# KiCad board handheld.kicad_pcb (continued)
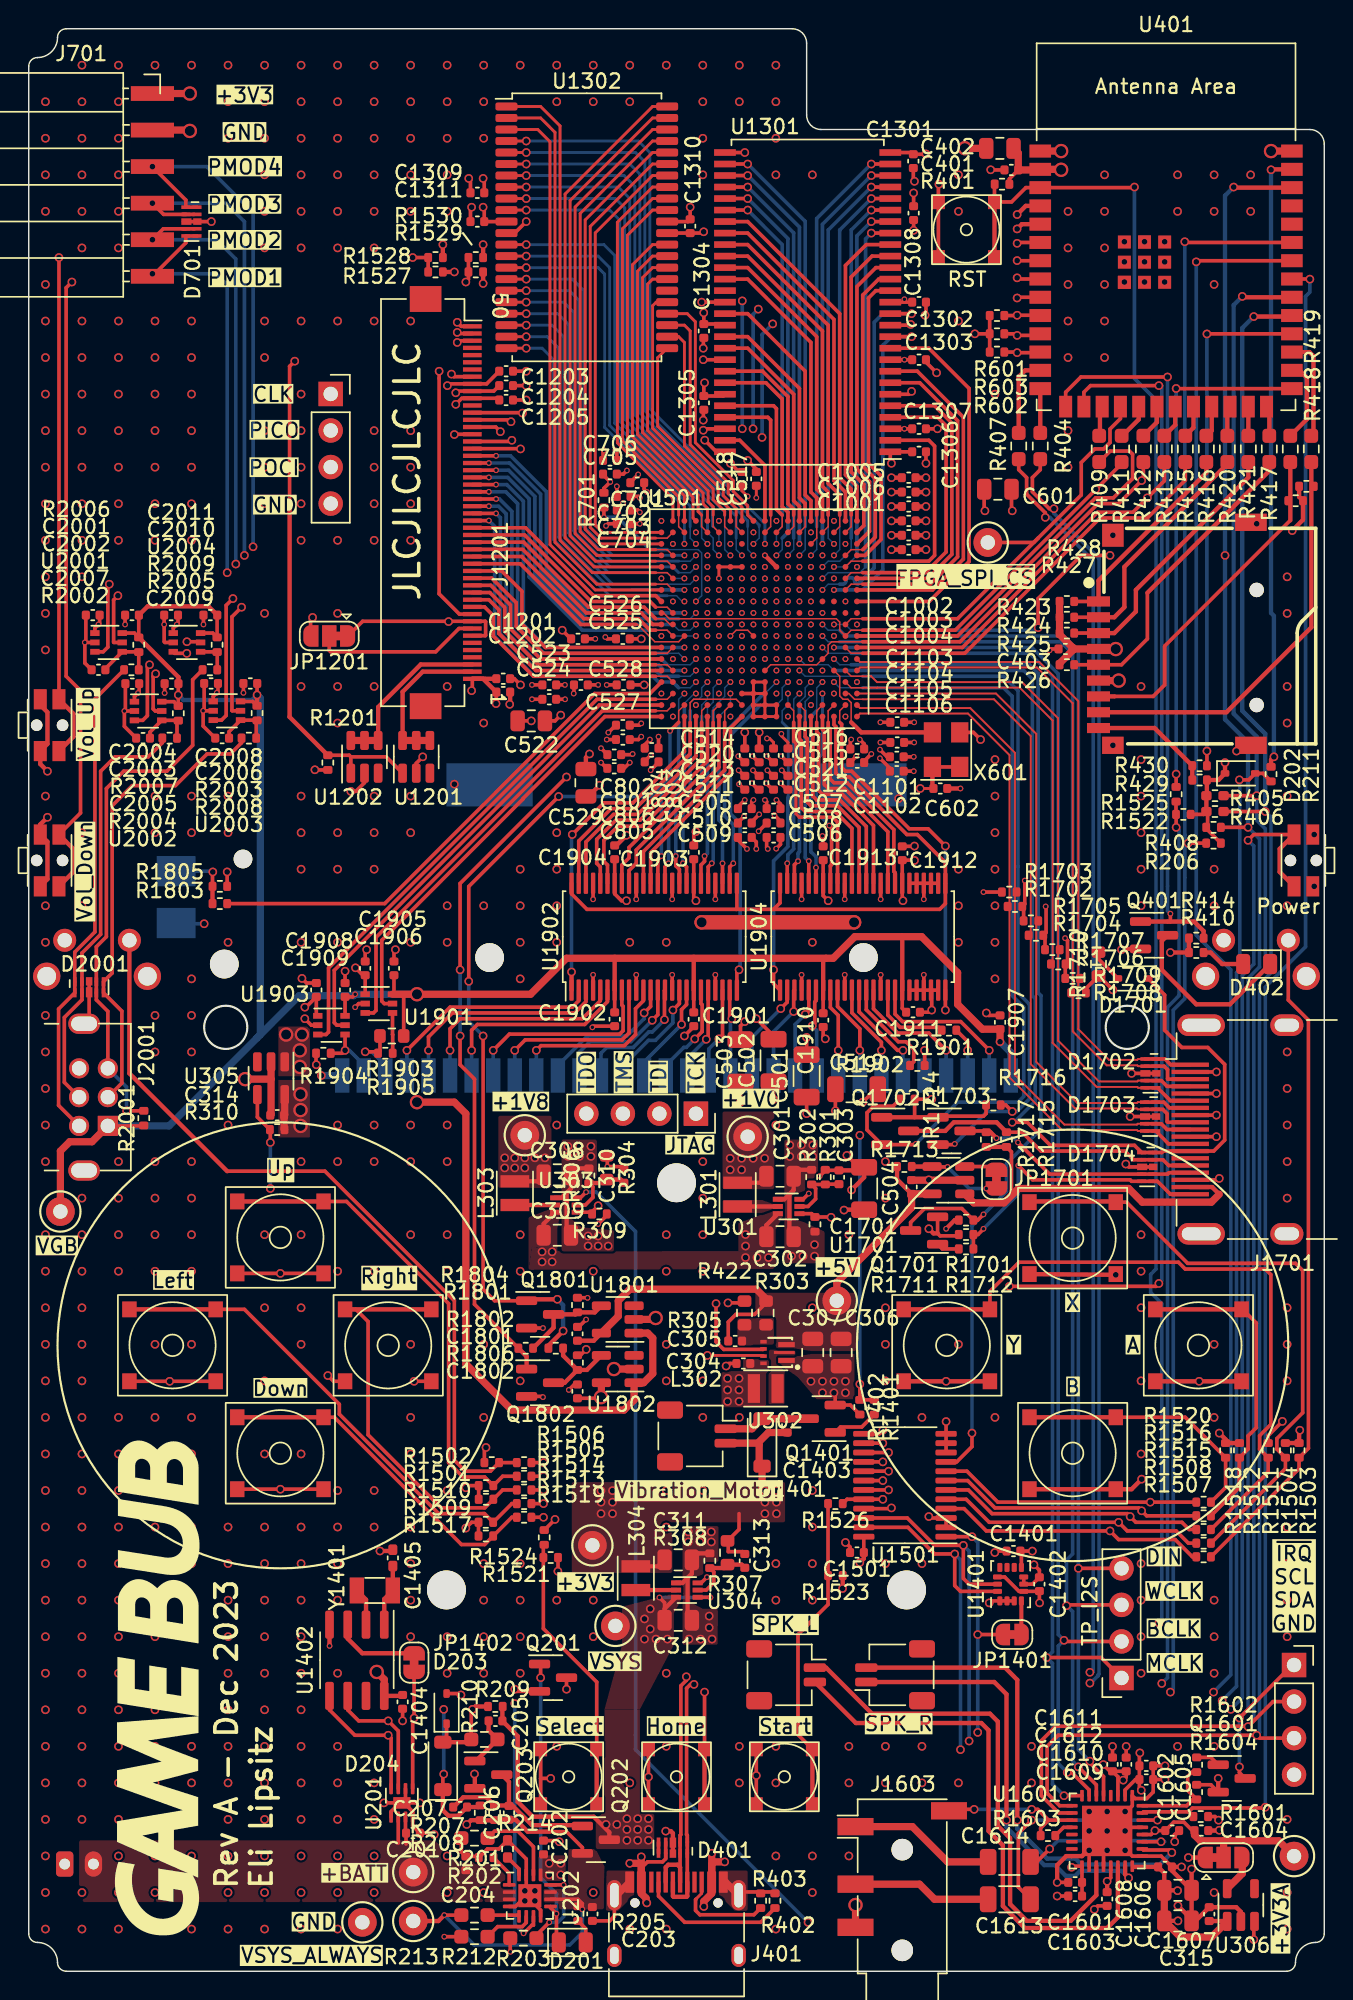
[diagram p0: board, top side]
## Routing (per net, layer and track width the routed paths; a pad name or vN(x,y) marks a point on that pad's centre or on a via; arc(x,y) is an arc through that point) (continued)
  B.Cu (SIG) w0.1: 56.4,93.2 55.6,93.2 v1(55.2,93.6)
  B.Cu (SIG) w0.25: v2(73.8,14.6) 73,15.4 v2(73,28) 73,91.73 71.93,92.8 56.8,92.8 56.4,93.2
DAC_MCLK: length 102.3
  F.Cu (SIG) w0.25: v2(72,12.2) U1601.8 ; J1604.1 74.58,21.8 v2(70.8,21.8)
  B.Cu (SIG) w0.1: 57.2,91.6 55.6,91.6 v1(55.2,92)
  B.Cu (SIG) w0.25: v2(72,12.2) 71.2,13 71.2,21.4 v2(70.8,21.8) 71.2,22.2 71.2,90 69.6,91.6 57.2,91.6
DAC_WCLK: length 102.2
  F.Cu (SIG) w0.25: U1601.6 74.25,12.95 v2(73,14.2) ; J1604.3 72.23,25.46 v2(72.17,25.4)
  B.Cu (SIG) w0.1: 56.4,92.4 55.6,92.4 v1(55.2,92.8)
  B.Cu (SIG) w0.25: v2(73,14.2) 72.6,14.6 72.6,25 72.2,25.4 v2(72.17,25.4) 72.17,28.57 72.6,29 72.6,91.57 71.77,92.4 56.4,92.4
DAC_~{RESET}: length 117.9
  F.Cu (SIG) w0.25: 80.67,11.08 R1601.1 ; 80.67,11.08 80.94,11.34 85.85,11.34 85.91,11.4 v2(86,11.4) ; 80.67,11.08 77.53,11.08 U1601.31 ; v2(89.1,117.6) 89.09,117.61 U401.33
  B.Cu (SIG) w0.25: v2(86,11.4) 86,68.4 88.8,71.2 88.8,116.4 89.1,116.7 v2(89.1,117.6)
FPGA_CLK_50MHz: length 10.2
  F.Cu (SIG) w0.1: 57.2,86.8 57.2,88.17 56.97,88.4 56.63,88.4 56.4,88.63 56.4,90 U501.E3
  F.Cu (SIG) w0.3: 57.2,86.8 57.9,86.1 X601.3
FPGA_DONE: length 41.3
  F.Cu (SIG) w0.25: 70.33,115.09 v2(68.74,115.09) 68.72,115.07 R601.1
  In2.Cu (SIG) w0.1: v1(50.4,97.6) 50.8,98 50.8,99.6 51.2,100
  In2.Cu (SIG) w0.25: v2(49.62,107.2) 49.62,106.38 51.2,104.8 51.2,100 ; v2(49.62,116.09) 52.34,116.09 52.71,115.72 68.1,115.72 v2(68.74,115.09)
  B.Cu (SIG) w0.25: v2(49.62,107.2) 49.62,115.89
FPGA_INIT_B: length 38.2
  F.Cu (SIG) w0.25: R602.1 68.7,112.53 v2(68.74,112.49) 70.31,112.49
  In2.Cu (SIG) w0.1: 52.4,101.2 52.4,98 v1(52.8,97.6)
  In2.Cu (SIG) w0.25: v2(51.74,114.49) 53.74,112.49 v2(68.74,112.49) ; 52.4,101.2 52,101.6 52,105.6 v2(51,106.6)
  B.Cu (SIG) w0.25: v2(51.74,114.49) 51,113.75 v2(51,106.6)
FPGA_POWER_EN: length 113.4
  F.Cu (SIG) w0.25: v2(68.2,47.6) 78.4,47.6 v2(78.6,47.8) ; v2(78.6,110.2) 73.84,110.2 73.38,109.74 U401.16 ; v2(55.8,52.4) 55.78,52.42 R422.1 54.45,52.65 U301.4 ; U302.5 51.06,43.22 48.33,43.22 47.8,43.75 v2(47.8,46.4)
  In2.Cu (SIG) w0.25: v2(55.8,52.4) 55.8,48.6 ; 55.8,48.6 50,48.6 v2(47.8,46.4) ; 55.8,48.6 67.2,48.6 v2(68.2,47.6)
  B.Cu (SIG) w0.25: v2(78.6,47.8) 78.8,48 78.8,110.2
FPGA_PROGRAM_B: length 40.4
  F.Cu (SIG) w0.25: 70.24,113.69 v2(68.74,113.69) 68.63,113.8 R603.1
  In2.Cu (SIG) w0.1: v1(51.2,97.6) 51.6,98 51.6,101.2
  In2.Cu (SIG) w0.25: v2(50.37,107.2) 50.37,106.19 51.6,104.97 51.6,101.2 ; v2(50.74,115.52) 51.53,115.52 53.95,113.09 54.34,113.09 54.35,113.08 68.12,113.08 v2(68.74,113.69)
  B.Cu (SIG) w0.25: v2(50.37,107.2) 50.37,115.15 v2(50.74,115.52)
FPGA_SPI_~{CS}: length 31.4
  F.Cu (SIG) w0.1: U501.J2 57.2,94 58,94
  F.Cu (SIG) w0.25: 58,94 64.6,94 70.2,99.6 ; 70.2,99.6 69.9,99.3 TP401.1 ; 70.2,99.6 73.2,102.6 73.2,104.86 74.14,105.8 74.76,105.8 75.2,106.24 75.2,107.18 75.93,107.91 U401.18
GB_3V3_Enable: length 60.4
  F.Cu (SIG) w0.1: 45.2,86.8 45.2,87.6 U501.B16
  F.Cu (SIG) w0.25: v2(30.6,68.8) 30.6,75.39 v2(36.86,81.64) ; v2(31.6,65) 31.6,47.4 32.4,46.6 Q1801.1 ; 45.2,86.8 v1(44.6,86.2)
  F.Cu (SIG) w0.3: v2(37.16,44.5) 36.14,43.48 R1804.1 ; v2(36.76,46.7) 34.72,46.7
  B.Cu (SIG) w0.25: v2(30.6,68.8) 30.6,66 v2(31.6,65) ; v2(36.86,81.64) 43.24,81.64 44.6,83 v1(44.6,86.2)
  B.Cu (SIG) w0.3: v2(37.16,44.5) 37.16,46.3 v2(36.76,46.7)
GB_5V_Enable: length 66.3
  F.Cu (SIG) w0.25: v2(37.4,83) 30,75.6 v2(30,69.6) ; R1801.1 31,46.35 31,62 30,63 v2(30,65)
  F.Cu (SIG) w0.3: Q1802.1 34.62,42.73 R1801.1
  In2.Cu (SIG) w0.1: v1(48,93.6) 48.4,93.2 48.4,91.03 48.17,90.8 47.83,90.8 47.6,90.57 47.6,90.27 47.33,90 47.07,90 46.8,89.73 46.8,89.47 46.51,89.17 46.24,89.17 46,88.93 46,88.4 45.6,88
  In2.Cu (SIG) w0.25: v2(37.4,83) 44.8,83 45.6,83.8 45.6,88
  B.Cu (SIG) w0.25: v2(30,69.6) v2(30,65)
GB_Cart_A16: length 14.2
  F.Cu (SIG) w0.25: U1902.37 43.25,77.75 48.8,83.3 48.8,86.4 U501.A11
GB_Cart_A17: length 14.9
  F.Cu (SIG) w0.1: 48.4,86.8 48.4,87.6 U501.B12
  F.Cu (SIG) w0.25: U1902.38 42.75,77.83 48.4,83.47 48.4,86.8
GB_Cart_A18: length 14.2
  F.Cu (SIG) w0.25: U1902.40 41.75,76.5 42.25,77 42.25,77.92 48,83.67 U501.A13
GB_Cart_A19: length 15.2
  F.Cu (SIG) w0.1: 47.6,86.8 47.6,87.6 U501.B13
  F.Cu (SIG) w0.25: 47.6,86.8 47.6,83.95 41.75,78.1 41.75,77.38 41.25,76.88 U1902.41
GB_Cart_A20: length 15.7
  F.Cu (SIG) w0.25: U1902.43 40.25,76.88 40,77.13 40,78.6 40.97,79.58 42.66,79.58 47.2,84.12 U501.A14
GB_Cart_A21: length 16.7
  F.Cu (SIG) w0.1: 46.8,86.8 46.8,87.6 U501.B14
  F.Cu (SIG) w0.25: U1902.44 39.75,76.75 39.5,77 39.5,78.67 40.83,80 42.52,80 46.8,84.28 46.8,86.8
GB_Cart_A22: length 15.7
  F.Cu (SIG) w0.25: U1902.46 38.75,78.48 40.67,80.4 42.35,80.4 46.4,84.45 U501.A15
GB_Cart_A23: length 20.6
  F.Cu (SIG) w0.1: 46,86.8 46,88.17 46.23,88.4 49.2,88.4 U501.B11
  F.Cu (SIG) w0.25: 46,86.8 46,84.61 42.19,80.8 40.5,80.8 38.25,78.55 U1902.47
GB_Cart_AD0: length 15.2
  F.Cu (SIG) w0.1: 54,86.8 54,87.6 U501.B6
  F.Cu (SIG) w0.25: U1904.37 57.75,79.49 56.24,81 54.4,81 54.13,81.27 54.13,85.67 54,85.81 54,86.8
GB_Cart_AD1: length 14.3
  F.Cu (SIG) w0.25: U1904.38 57.25,79.43 56.08,80.6 54,80.6 53.74,80.86 53.74,85.51 53.6,85.64 U501.A6
GB_Cart_AD2: length 15.2
  F.Cu (SIG) w0.1: 53.2,86.8 53.2,87.6 U501.B7
  F.Cu (SIG) w0.2: 53.2,85.47 53.36,85.31 53.36,80.44 53.6,80.2
  F.Cu (SIG) w0.25: U1904.40 56.25,79.86 55.91,80.2 53.6,80.2 ; 53.2,86.8 53.2,85.47
GB_Cart_AD3: length 13.8
  F.Cu (SIG) w0.25: U1904.41 55.75,76.82 55.84,76.9 55.84,79.46 v1(55.68,79.62)
  B.Cu (SIG) w0.2: v1(55.2,88.8) 55.2,84.6 54.8,84.2 54.8,80.5 v1(55.68,79.62)
GB_Cart_AD4: length 14.5
  F.Cu (SIG) w0.25: U1904.43 v1(54.75,76.7)
  B.Cu (SIG) w0.1: 54.8,87.6 54.8,89.2 v1(55.2,89.6)
  B.Cu (SIG) w0.25: v1(54.75,76.7) 54.75,77.45 54.4,77.8 54.4,87.2 54.8,87.6
GB_Cart_AD5: length 13.5
  F.Cu (SIG) w0.25: U1904.44 v1(54.25,77.15)
  B.Cu (SIG) w0.1: 54,87.6 54,88.25 54.4,88.65 v1(54.4,88.8)
  B.Cu (SIG) w0.25: v1(54.25,77.15) 54,77.4 54,87.6
GB_Cart_AD6: length 14.5
  F.Cu (SIG) w0.25: v1(53.5,77.15) 53.25,76.9 U1904.46
  B.Cu (SIG) w0.1: 53.6,88 53.6,88.2 54,88.6 54,89.2 v1(54.4,89.6)
  B.Cu (SIG) w0.25: v1(53.5,77.15) 53.5,77.7 53.6,77.8 53.6,88
GB_Cart_AD7: length 13.5
  F.Cu (SIG) w0.25: U1904.47 v1(52.75,77)
  B.Cu (SIG) w0.1: v1(53.6,88.8) 53.2,88.4 53.2,86.8
  B.Cu (SIG) w0.25: 53.2,86.8 53.2,78 52.8,77.6 52.8,77.05 v1(52.75,77)
GB_Cart_AD8: length 15.9
  F.Cu (SIG) w0.25: U1902.26 48.75,76.75 v1(49,77)
  B.Cu (SIG) w0.1: v1(52,89.6) 51.2,88.8
  B.Cu (SIG) w0.25: v1(49,77) 49,79.68 48.4,80.28 48.4,86.08 51.12,88.8 51.2,88.8
GB_Cart_AD9: length 13.6
  F.Cu (SIG) w0.25: U1902.27 v1(48.25,77)
  B.Cu (SIG) w0.1: v1(48.8,88.8) 48.8,88 48,87.2
  B.Cu (SIG) w0.25: 48,87.2 48,80 48.25,79.75 v1(48.25,77)
GB_Cart_AD10: length 14.6
  F.Cu (SIG) w0.25: v1(47.5,77) 47.25,76.75 U1902.29
  B.Cu (SIG) w0.1: 47.6,87.6 47.6,87.8 48.4,88.6 48.4,89.2 v1(48.8,89.6)
  B.Cu (SIG) w0.25: v1(47.5,77) 47.6,77.1 47.6,87.6
GB_Cart_AD11: length 14.5
  F.Cu (SIG) w0.25: U1902.30 46.75,76.88 47,77.13 v1(47,77.5)
  B.Cu (SIG) w0.1: 47.2,87.2 47.2,87.8 47.6,88.2 47.6,89.2 v1(48,89.6)
  B.Cu (SIG) w0.25: v1(47,77.5) 47.2,77.7 47.2,87.2
GB_Cart_AD12: length 14
  F.Cu (SIG) w0.25: v1(45.5,77) 45.75,76.75 U1902.32
  B.Cu (SIG) w0.1: 46.8,87.2 46.8,88 47.2,88.4 v1(47.2,88.8)
  B.Cu (SIG) w0.25: v1(45.5,77) 45.5,80.5 46.8,81.8 46.8,87.2
GB_Cart_AD13: length 15.2
  F.Cu (SIG) w0.25: U1902.33 45.25,76.58 45,76.83 v1(45,77.5)
  B.Cu (SIG) w0.1: 46,87.6 46,88.17 46.23,88.4 46.6,88.4 46.8,88.6 46.8,89.2 v1(47.2,89.6)
  B.Cu (SIG) w0.25: 46,87.6 46,81.75 45,80.75 v1(45,77.5)
GB_Cart_AD14: length 14.1
  F.Cu (SIG) w0.25: v1(44.5,77) 44.25,76.75 U1902.35
  B.Cu (SIG) w0.1: 45.6,88 45.6,88.12 46.28,88.8 v1(46.4,88.8)
  B.Cu (SIG) w0.25: v1(44.5,77) 44.5,81.25 45.6,82.35 45.6,88
GB_Cart_AD15: length 14
  F.Cu (SIG) w0.25: U1902.36 43.75,77.25 v1(44,77.5)
  B.Cu (SIG) w0.1: 45.2,86.8 45.2,88.4 v1(45.6,88.8)
  B.Cu (SIG) w0.25: 45.2,86.8 45.2,82.95 44,81.75 v1(44,77.5)
GB_Cart_PHI: length 15
  F.Cu (SIG) w0.1: U501.B3 55.6,87.6 55.6,86.8
  F.Cu (SIG) w0.25: U1904.32 60.25,76.35 60.16,76.43 60.16,79.34 56.91,82.6 56,82.6 55.74,82.86 55.74,86.33 55.6,86.47 55.6,86.8
GB_Cart_VIN: length 37.1
  F.Cu (SIG) w0.1: U501.C17 44.4,88.4 43.6,88.4
  F.Cu (SIG) w0.25: U1903.3 20.67,65.1 20.85,65.28 20.85,69.73 39.52,88.4 43.6,88.4
GB_Cart_~{CS1}: length 14.1
  F.Cu (SIG) w0.25: U1904.36 58.25,79.56 56.41,81.4 54.8,81.4 54.53,81.67 54.53,85.84 54.4,85.97 U501.A5
GB_Cart_~{CS2}: length 33.2
  F.Cu (SIG) w0.1: 43.6,87.6 44.4,87.6 U501.B17
  F.Cu (SIG) w0.25: U1901.3 23.97,66.6 24.15,66.78 24.15,71.85 39.9,87.6 43.6,87.6
GB_Cart_~{OE}: length 48.2
  F.Cu (SIG) w0.25: U1904.48 52.25,74.25 51.8,73.8 ; 49.2,73.8 51.8,73.8 ; 49.2,73.8 38.83,73.8 37.75,74.88 U1902.48 ; 49.2,73.8 49.25,73.85 U1902.25 ; 51.8,73.8 63.35,73.8 63.75,74.2 U1904.25 63.75,77.05 61.8,79 61.07,79 57.07,83 56.4,83 56.14,83.26 56.14,86.5 56,86.63 U501.A3
GB_Cart_~{RD}: length 15
  F.Cu (SIG) w0.1: 54.8,86.8 54.8,87.6 U501.B4
  F.Cu (SIG) w0.25: U1904.35 58.75,79.63 56.58,81.8 55.2,81.8 54.94,82.06 54.94,86 54.8,86.14 54.8,86.8
GB_Cart_~{WR}: length 14.1
  F.Cu (SIG) w0.25: U501.A4 55.2,86.3 55.34,86.17 55.34,82.47 55.6,82.2 56.74,82.2 59.75,79.19 U1904.33
GB_Dir_Cart0: length 23.4
  F.Cu (SIG) w0.25: v2(37.8,79) 40,81.2 42.02,81.2 45.6,84.78 U501.A16
  F.Cu (SIG) w0.3: U1902.1 v2(37.75,69.45)
  B.Cu (SIG) w0.25: v2(37.75,69.45) 37.75,78.95 v2(37.8,79)
GB_Dir_Cart1: length 24.1
  F.Cu (SIG) w0.25: v2(49.4,69.6) 49.25,69.45 U1902.24
  B.Cu (SIG) w0.1: 52,88 52.4,88.4 52.4,89.2 v1(52.8,89.6)
  B.Cu (SIG) w0.25: v2(49.4,69.6) 49.47,69.67 49.47,79.78 48.8,80.45 48.8,85.91 50.89,88 52,88
GB_Dir_Cart2: length 21.6
  F.Cu (SIG) w0.25: U1904.1 51.8,68.64 v2(51.8,69.6)
  B.Cu (SIG) w0.1: 52.4,86.8 52.4,87.6 52.8,88 v1(52.8,88.8)
  B.Cu (SIG) w0.2: 52.82,81.62 52.82,86.38 52.4,86.8
  B.Cu (SIG) w0.25: 52.8,81.62 52.8,78.17 51.8,77.17 v2(51.8,69.6)
GB_Dir_Cart3: length 26.8
  F.Cu (SIG) w0.1: 56.4,86.8 56.4,87.6 U501.B2
  F.Cu (SIG) w0.25: U1904.24 v2(63.75,66.8) ; v2(63.75,78.2) 62.55,79.4 61.24,79.4 57.24,83.4 56.8,83.4 56.54,83.66 56.54,86.66 56.4,86.8
  B.Cu (SIG) w0.25: v2(63.75,66.8) v2(63.75,78.2)
GB_Dir_SC: length 37.6
  F.Cu (SIG) w0.25: v2(11,92.4) 11.9,92.4
  In2.Cu (SIG) w0.1: v1(47.2,92) 46.8,92.4 45.2,92.4
  In2.Cu (SIG) w0.25: 45.2,92.4 44.8,92 11.4,92 v2(11,92.4)
GB_Dir_SD: length 43.3
  F.Cu (SIG) w0.25: U2002.5 8.8,87.58 8.65,87.73 8.65,90 v2(8.82,90.18)
  In2.Cu (SIG) w0.1: v1(48,91.2) 47.8,91.2 47.4,90.8 47.07,90.8 46.8,90.53 46.8,90.27 46.53,90 45.2,90
  In2.Cu (SIG) w0.25: 45.2,90 44.8,90.4 9.05,90.4 v2(8.82,90.18)
GB_Dir_SI: length 41.5
  F.Cu (SIG) w0.25: U2003.5 14.16,87.6 14.13,87.62 14.13,94.13 v2(14.8,94.8)
  In2.Cu (SIG) w0.1: 45.2,93.2 46.8,93.2 v1(47.2,92.8)
  In2.Cu (SIG) w0.25: 45.2,93.2 44.4,93.2 42.6,95 15,95 v2(14.8,94.8)
GB_Dir_SO: length 45.8
  F.Cu (SIG) w0.25: U2001.5 5.92,92.35 5.9,92.38 5.9,95.3 v2(6.2,95.6)
  In2.Cu (SIG) w0.1: v1(47.2,95.2) 46.8,94.8 44.4,94.8
  In2.Cu (SIG) w0.25: 44.4,94.8 43.2,96 6.6,96 v2(6.2,95.6)
GB_Dir_VIN: length 34.8
  F.Cu (SIG) w0.25: U501.B18 39.69,88 21.25,69.56 21.25,65.92 21.42,65.75 U1903.5
GB_Dir_~{CS2}: length 31
  F.Cu (SIG) w0.25: U1901.5 24.72,67.25 24.55,67.42 24.55,71.65 34.38,81.48 34.38,81.52 40.07,87.2 U501.A18
GB_Link_SC: length 38.2
  F.Cu (SIG) w0.25: v2(10.99,91.59) 10.16,91.59 U2004.3
  In2.Cu (SIG) w0.1: v1(48,92) 47.6,91.6 44.4,91.6
  In2.Cu (SIG) w0.25: 44.4,91.6 11,91.6 v2(10.99,91.59)
GB_Link_SD: length 43.6
  F.Cu (SIG) w0.25: 7.35,86.94 7.92,86.94 8.25,87.26 8.25,90.65 v2(8.4,90.8)
  In2.Cu (SIG) w0.1: 44.4,90.8 46.53,90.8 46.93,91.2 v1(47.2,91.2)
  In2.Cu (SIG) w0.25: v2(8.4,90.8) 44.4,90.8
GB_Link_SI: length 43.1
  F.Cu (SIG) w0.25: v2(14.2,95.4) 13.73,94.93 13.73,87.28 13.41,86.95 U2003.3
  In2.Cu (SIG) w0.1: 45.2,94 46.8,94 v1(47.2,93.6)
  In2.Cu (SIG) w0.25: 45.2,94 44.2,94 42.8,95.4 v2(14.2,95.4)
GB_Link_SO: length 48.3
  F.Cu (SIG) w0.25: U2001.3 5.17,91.7 5.5,92.03 5.5,96.3 v2(5.6,96.4)
  In2.Cu (SIG) w0.1: v1(48,95.2) 47.6,95.6 44.4,95.6
  In2.Cu (SIG) w0.25: 44.4,95.6 43.6,96.4 v2(5.6,96.4)
HDMI_CEC: length 78.9
  F.Cu (SIG) w0.25: D1701.1 79,67.85 79,65.4 80.2,64.2 82,64.2 83.18,63.03 83.18,57.76 82.41,57 J1701.13 78.9,57 78.8,56.9 D1704.1 76.9,57.4 71.05,57.4 69.45,59 v2(68.4,59)
  B.Cu (SIG) w0.1: 56,90.4 55.6,90.8 54,90.8 v1(53.6,91.2)
  B.Cu (SIG) w0.25: 56,90.4 69.2,90.4 69.8,89.8 69.8,67.8 70,67.6 70,60.47 68.53,59 v2(68.4,59)
HDMI_CLK+: length 48.6
  F.Cu (SIG) w0.13: U501.B1 57.81,87.79 65.48,87.79 68.59,84.68 68.59,62.28 72.03,58.84 77.07,58.84 77.13,58.9 D1703.4
  F.Cu (SIG) w0.25: J1701.10 79.16,58.5 78.76,58.9 D1703.7 D1703.4
HDMI_CLK-: length 48.8
  F.Cu (SIG) w0.13: U501.A1 57.81,87.41 65.32,87.41 68.21,84.52 68.21,62.12 71.87,58.46 77.07,58.46 77.13,58.4 D1703.5
  F.Cu (SIG) w0.25: J1701.12 79.28,57.5 D1703.6 D1703.5
HDMI_D0+: length 48.5
  F.Cu (SIG) w0.13: D1703.1 77.13,60.4 77.07,60.34 72.93,60.34 70.07,63.2 70.07,86 67.27,88.8 U501.C1
  F.Cu (SIG) w0.25: J1701.7 79.34,60 78.94,60.4 D1703.10 D1703.1
HDMI_D0-: length 50
  F.Cu (SIG) w0.1: U501.C2 57.03,88.8 57.43,88.4 58,88.4
  F.Cu (SIG) w0.13: D1703.2 77.13,59.9 77.07,59.96 72.77,59.96 69.69,63.04 69.69,85.84 67.13,88.4 58,88.4
  F.Cu (SIG) w0.25: J1701.9 79.23,59 79.17,59.06 79.17,59.6 78.87,59.9 D1703.9 D1703.2
HDMI_D1+: length 49.1
  F.Cu (SIG) w0.1: U501.E2 57.2,90 58,90
  F.Cu (SIG) w0.13: D1702.4 77.16,61.9 77.1,61.84 74.43,61.84 71.59,64.68 71.59,87.08 69.08,89.59 59,89.59 58.59,90 58,90
  F.Cu (SIG) w0.25: J1701.4 79.16,61.5 78.76,61.9 D1702.7 D1702.4
HDMI_D1-: length 49.1
  F.Cu (SIG) w0.1: 58,89.2 57.2,89.2 U501.D2
  F.Cu (SIG) w0.13: D1702.5 77.16,61.4 77.1,61.46 74.27,61.46 71.21,64.52 71.21,86.92 68.92,89.21 59,89.21 58.99,89.2 58,89.2
  F.Cu (SIG) w0.25: 78.5,61.4 79.4,60.5 J1701.6 ; D1702.5 D1702.6
HDMI_D2+: length 48.3
  F.Cu (SIG) w0.13: U501.F1 57.81,90.99 70.28,90.99 72.99,88.28 72.99,65.48 75.13,63.34 77.1,63.34 77.16,63.4 D1702.1
  F.Cu (SIG) w0.25: D1702.1 D1702.10 79.03,63.4 79.43,63 J1701.1
HDMI_D2-: length 48.8
  F.Cu (SIG) w0.13: U501.E1 57.81,90.61 70.12,90.61 72.61,88.12 72.61,65.32 74.97,62.96 77.1,62.96 77.16,62.9 D1702.2
  F.Cu (SIG) w0.25: J1701.3 79.23,62 79.21,62.03 79.21,62.66 78.96,62.9 D1702.9 D1702.2
HDMI_SCL: length 57.5
  F.Cu (SIG) w0.25: R1714.1 60.12,60.12 58.76,60.12 58.3,59.67 58.3,58.47 Q1702.2 61.65,57.45 v1(61.7,57.5)
  B.Cu (SIG) w0.1: 58,89.2 56.4,89.2 v1(56,89.6)
  B.Cu (SIG) w0.25: v1(61.7,57.5) 64.6,60.4 68.8,60.4 69.2,60.8 69.2,67 68.4,67.8 68.4,88.6 67.8,89.2 58,89.2
HDMI_SDA: length 53.1
  F.Cu (SIG) w0.25: v1(64.4,57.5) 64.35,57.45 Q1703.2 ; v2(68.4,59.75) 67.95,60.2 R1716.1
  B.Cu (SIG) w0.1: v1(53.6,90.4) 54,90 58,90
  B.Cu (SIG) w0.25: v1(64.4,57.5) 66.65,59.75 v2(68.4,59.75) 68.72,59.75 69.6,60.63 69.6,67.2 68.8,68 68.8,76.8 68.8,76.8 68.8,89 67.8,90 58,90
HDMI_~{HPD}: length 79.2
  F.Cu (SIG) w0.25: v2(65.6,37.4) 65.6,36.46 64.54,35.4 U1501.9 ; v1(66.4,52.6) 66,52.2 R1701.1 64.9,53 62.29,53 61.33,52.04 Q1701.3
  B.Cu (SIG) w0.1: 57.2,90.8 56.4,90.8 v1(56,91.2)
  B.Cu (SIG) w0.25: 57.2,90.8 69.6,90.8 70.2,90.2 70.2,68 70.4,67.8 70.4,58.53 68,56.13 68,54.19 66.41,52.6 v1(66.4,52.6) 65.6,51.8 v2(65.6,37.4)
I2C0_SCL: length 228.4
  F.Cu (SIG) w0.25: U1501.22 61.1,31.5 63,29.6 v2(65,29.6) 65,27.3 65.4,26.9 U1401.13 ; 84.98,17.02 71.42,17.02 70.43,16.03 70.43,12.21 71.63,11 U1601.10 ; v2(84.8,17) 86.54,18.74 J403.2 ; R405.2 v2(85.4,81.7) ; U1402.6 22.19,18.16 22.95,17.4 v2(25,17.4) 25.7,16.7 U201.7
  F.Cu (SIG) w0.3: v2(84.4,116.4) 84.46,116.34 U401.32
  In2.Cu (SIG) w0.25: v2(25,17.4) 25.6,16.8 64.6,16.8 v2(65.4,16) 66.8,16 67.6,16.8 84.6,16.8 v2(84.8,17)
  B.Cu (SIG) w0.25: v2(65,29.6) 65.4,29.2 v2(65.4,16) ; v2(85.4,81.7) 85.4,80 86,79.4 86,69.6 85.2,68.8 85.2,17.4 v2(84.8,17)
  B.Cu (SIG) w0.3: v2(85.4,81.7) 85.4,85.8 83.8,87.4 83.8,115.8 v2(84.4,116.4)
I2C0_SDA: length 225.6
  F.Cu (SIG) w0.25: J403.3 85.6,16.2 v2(85.4,16.4) 71.6,16.4 70.82,15.62 70.82,12.38 71.7,11.5 U1601.9 ; U201.8 25.2,16.2 v2(25,16.4) 22.68,16.4 20.92,18.16 U1402.5 ; U1501.23 61.15,30.85 63,29 v2(64.4,29) 64.4,26.8 64.8,26.4 U1401.14 ; R406.2 v2(86,80.6)
  F.Cu (SIG) w0.3: v2(85.2,115) 87.78,115
  In2.Cu (SIG) w0.25: v2(25,16.4) 63.8,16.4 v2(64.8,15.4) 67,15.4 68,16.4 v2(85.4,16.4)
  B.Cu (SIG) w0.25: v2(64.8,15.4) 64.8,28.6 v2(64.4,29) ; v2(86,80.6) 86.4,80.2 86.4,69.4 85.6,68.6 85.6,16.6 v2(85.4,16.4)
  B.Cu (SIG) w0.3: v2(86,80.6) 86,86 84.4,87.6 84.4,114.2 v2(85.2,115)
LCD_BACKLIGHT: length 90.8
  F.Cu (SIG) w0.25: 22.4,84.4 24.86,84.4 U1201.1 ; 22.4,84.4 U1202.1 ; 22.4,84.4 22.29,84.51 R1201.1 ; v2(18.5,111.9) 18.14,111.54 18.14,101.9 ; U401.6 68.8,120.15 v2(68.74,120.09)
  F.Cu (SIG) w0.3: R1201.1 18.14,87.17 18.14,101.9
  In2.Cu (SIG) w0.25: v2(18.5,111.9) 18.88,112.28 39.72,112.28 45.94,118.49 67.14,118.49 v2(68.74,120.09)
LCD_D/~{CX}: length 43.5
  F.Cu (SIG) w0.25: v2(68.74,116.29) 68.79,116.34 U401.9 ; v2(33.54,107.69) 33.41,107.82 J1201.37
  In2.Cu (SIG) w0.25: v2(33.54,107.69) 37.74,107.69 46.74,116.69 68.34,116.69 v2(68.74,116.29)
LCD_DATA_EN: length 16.2
  F.Cu (SIG) w0.25: U501.F18 35.6,91.2 33.5,93.3 33.5,94.95 32.13,96.32 J1201.14
LCD_DB0: length 22.5
  F.Cu (SIG) w0.25: J1201.32 v1(32.5,105.32)
  B.Cu (SIG) w0.25: v1(32.5,105.32) 33.51,105.32 36,102.83 36,97.4 39,94.4 v1(45.6,94.4)
LCD_DB1: length 23.4
  F.Cu (SIG) w0.25: J1201.31 v1(32,104.82)
  B.Cu (SIG) w0.1: v1(46.4,94.4) 46,94 45.2,94
  B.Cu (SIG) w0.25: 45.2,94 38.83,94 35.6,97.23 35.6,102.66 33.44,104.82 v1(32,104.82)
LCD_DB2: length 23.5
  F.Cu (SIG) w0.25: J1201.30 v1(32.5,104.32)
  B.Cu (SIG) w0.1: 44.8,93.6 45.2,93.2 46,93.2 v1(46.4,93.6)
  B.Cu (SIG) w0.25: v1(32.5,104.32) 33.38,104.32 35.2,102.5 35.2,97.07 38.67,93.6 44.8,93.6
LCD_DB3: length 23.3
  F.Cu (SIG) w0.25: J1201.29 v1(32,103.82)
  B.Cu (SIG) w0.1: 43.6,93.2 44.4,93.2 44.8,92.8 v1(46.4,92.8)
  B.Cu (SIG) w0.25: v1(32,103.82) 33.31,103.82 34.8,102.33 34.8,96.9 38.5,93.2 43.6,93.2
LCD_DB4: length 24.5
  F.Cu (SIG) w0.25: J1201.28 v1(32.5,103.32)
  B.Cu (SIG) w0.25: v1(45.6,92) 36,92 34.4,93.6 34.4,102.17 33.25,103.32 v1(32.5,103.32)
LCD_DB5: length 24.6
  F.Cu (SIG) w0.25: J1201.27 v1(32,102.82)
  B.Cu (SIG) w0.1: 44.4,91.6 45.2,91.6 v1(45.6,91.2)
  B.Cu (SIG) w0.25: 44.4,91.6 35.83,91.6 34,93.43 34,102 33.18,102.82 v1(32,102.82)
LCD_DB6: length 25.3
  F.Cu (SIG) w0.25: J1201.26 v1(32.5,102.32)
  B.Cu (SIG) w0.1: 44.4,90.8 46,90.8 v1(46.4,91.2)
  B.Cu (SIG) w0.25: v1(32.5,102.32) 32.74,102.32 33.6,101.46 33.6,93.27 35.67,91.2 44,91.2 44.4,90.8
LCD_DB7: length 24.3
  F.Cu (SIG) w0.25: J1201.25 v1(32,101.82)
  B.Cu (SIG) w0.25: v1(45.6,90.4) 44.2,90.4 43.8,90.8 35.5,90.8 33.2,93.1 33.2,101.29 32.67,101.82 v1(32,101.82)
LCD_DB8: length 25.1
  F.Cu (SIG) w0.25: J1201.24 v1(32.5,101.32)
  B.Cu (SIG) w0.1: v1(46.4,90.4) 46,90 45.2,90
  B.Cu (SIG) w0.25: v1(32.5,101.32) 32.8,101.02 32.8,92.94 35.34,90.4 43.6,90.4 44,90 45.2,90
LCD_DB9: length 25
  F.Cu (SIG) w0.25: J1201.23 v1(32,100.82)
  B.Cu (SIG) w0.1: 45.2,89.2 46,89.2 v1(46.4,89.6)
  B.Cu (SIG) w0.25: 45.2,89.2 44.8,89.6 43.8,89.6 43.4,90 35.17,90 32.4,92.77 32.4,100.42 v1(32,100.82)
LCD_DB10: length 15.3
  F.Cu (SIG) w0.25: J1201.22 34.55,100.32 39.27,95.6 43.6,95.6 U501.L18
LCD_DB11: length 16.2
  F.Cu (SIG) w0.1: 43.6,94.8 44.4,94.8 U501.K17
  F.Cu (SIG) w0.25: 43.6,94.8 43.2,95.2 39.1,95.2 34.48,99.82 J1201.21
LCD_DB12: length 16.3
  F.Cu (SIG) w0.1: U501.J17 44.6,93.6 44.2,94 43.6,94
  F.Cu (SIG) w0.25: J1201.20 34.42,99.32 38.94,94.8 42.8,94.8 43.6,94
LCD_DB13: length 15.3
  F.Cu (SIG) w0.25: U501.J18 43.4,93.6 42.6,94.4 38.77,94.4 34.35,98.82 J1201.19
LCD_DB14: length 16.2
  F.Cu (SIG) w0.1: 43.6,93.2 44.4,93.2 U501.H17
  F.Cu (SIG) w0.25: J1201.18 34.29,98.32 38.61,94 42.4,94 43.2,93.2 43.6,93.2
LCD_DB15: length 17.2
  F.Cu (SIG) w0.1: 42.2,93.6 42.34,93.6 43.54,92.4 45.2,92.4 U501.H16
  F.Cu (SIG) w0.25: 42.2,93.6 38.4,93.6 34.18,97.82 J1201.17
LCD_DB16: length 16.7
  F.Cu (SIG) w0.25: J1201.16 32.89,97.32 34.3,95.91 34.3,93.63 35.93,92 U501.G18
LCD_DB17: length 17.2
  F.Cu (SIG) w0.1: U501.G17 44.4,91.6 43.6,91.6
  F.Cu (SIG) w0.25: 43.6,91.6 35.76,91.6 33.9,93.46 33.9,95.12 32.2,96.82 J1201.15
LCD_DOTCLK: length 17.2
  F.Cu (SIG) w0.1: U501.E17 44.4,90.8 43.6,90.8
  F.Cu (SIG) w0.25: J1201.13 32.07,95.82 33.1,94.79 33.1,93.13 35.43,90.8 43.6,90.8
LCD_HSYNC: length 16.2
  F.Cu (SIG) w0.25: J1201.12 32,95.32 32.7,94.62 32.7,92.97 35.27,90.4 U501.E18
LCD_VSYNC: length 16.9
  F.Cu (SIG) w0.1: 43.6,90 44.4,90 U501.D17
  F.Cu (SIG) w0.25: 43.6,90 35.1,90 32.3,92.8 32.3,94.22 31.7,94.82 J1201.11
LCD_~{CS}: length 43.4
  F.Cu (SIG) w0.25: v2(34.34,108.29) 34.31,108.32 J1201.38 ; v2(68.74,117.69) 68.82,117.61 U401.8
  In2.Cu (SIG) w0.25: v2(34.34,108.29) 37.34,108.29 46.34,117.29 68.34,117.29 v2(68.74,117.69)
LCD_~{RST}: length 63.4
  F.Cu (SIG) w0.25: v2(68.74,118.89) 68.75,118.88 U401.7 ; J1201.10 29.95,94.32 28.54,95.73 v2(28.54,111.2)
  In2.Cu (SIG) w0.25: v2(68.74,118.89) 67.74,117.89 46.14,117.89 40.12,111.88 29.22,111.88 v2(28.54,111.2)
MCU_~{IRQ}: length 238.1
  F.Cu (SIG) w0.25: U201.5 26.7,17.5 v2(26.8,17.6) JP1402.2 ; v2(70.2,93.37) 70.2,95.4 73.2,98.4 v2(75.2,98.4) ; v2(84.2,17.6) 87.88,21.28 ; v2(65.6,30.2) U1501.1 ; Q1601.3 84.2,13.8 v2(84.2,14.2) ; 83.01,79.5 v2(84.8,79.5) ; JP1401.2 v2(66,23.4)
  F.Cu (SIG) w0.3: v2(83.8,124) 83.84,123.96 U401.38
  In2.Cu (SIG) w0.25: v2(83.2,98.4) v2(75.2,98.4) ; v2(26.8,17.6) 27.2,17.2 64.8,17.2 65.4,16.6 v2(66,16.6) 66.6,16.6 67.2,17.2 83.8,17.2 v2(84.2,17.6)
  B.Cu (SIG) w0.1: v1(56,93.6) 56.8,93.6 57.2,93.2 58,93.2
  B.Cu (SIG) w0.25: v2(66,16.6) 66,29.8 v2(65.6,30.2) ; v2(84.2,14.2) v2(84.2,17.6) 84.8,18.2 84.8,69 85.6,69.8 85.6,78.7 v2(84.8,79.5) ; 58,93.2 70.03,93.2 v2(70.2,93.37)
  B.Cu (SIG) w0.3: v2(84.8,79.5) 84.8,85.4 83.2,87 83.2,123.4 v2(83.8,124)
SDRAM_0_~{CS}: length 21.8
  F.Cu (SIG) w0.25: U1301.19 58.25,120 56.8,118.55 56.8,104 57.6,103.2 U501.V1
SDRAM_A0: length 27.2
  F.Cu (SIG) w0.25: v2(58.6,123.2) U1301.23
  B.Cu (SIG) w0.1: 56.4,101.2 56.4,98.8 v1(56,98.4)
  B.Cu (SIG) w0.25: v2(58.6,123.2) 58.59,123.2 56.4,121.01 56.4,101.2
SDRAM_A1: length 27.5
  F.Cu (SIG) w0.25: v2(58.6,124) U1301.24
  B.Cu (SIG) w0.1: 55.6,101.2 55.6,99.6 v1(56,99.2)
  B.Cu (SIG) w0.25: v2(58.6,124) 58.59,124 55.6,121.01 55.6,101.2
SDRAM_A2: length 28.3
  F.Cu (SIG) w0.25: v2(58.6,124.8) U1301.25
  B.Cu (SIG) w0.25: v1(55.2,99.2) 55.2,121.41 58.59,124.8 v2(58.6,124.8)
SDRAM_A3: length 30.3
  F.Cu (SIG) w0.25: v2(58.6,125.6) U1301.26
  B.Cu (SIG) w0.1: 54.8,100.4 54.8,98.8 v1(54.4,98.4)
  B.Cu (SIG) w0.25: v2(58.6,125.6) 58.59,125.6 54.8,121.81 54.8,100.4
SDRAM_A4: length 30.6
  F.Cu (SIG) w0.25: v2(50,125.6) U1301.29
  B.Cu (SIG) w0.1: v1(53.6,98.4) 54,98.8 54,100.4
  B.Cu (SIG) w0.25: 54,100.4 54,121.61 50.01,125.6 v2(50,125.6)
SDRAM_A5: length 28.7
  F.Cu (SIG) w0.25: v2(50,124.8) U1301.30
  B.Cu (SIG) w0.25: v1(53.6,99.2) 53.6,121.21 50.01,124.8 v2(50,124.8)
SDRAM_A6: length 28.7
  F.Cu (SIG) w0.25: v2(50,124) U1301.31
  B.Cu (SIG) w0.1: v1(52.8,98.4) 53.2,98.8 53.2,99.6
  B.Cu (SIG) w0.25: v2(50,124) 50.01,124 53.2,120.81 53.2,99.6
SDRAM_A7: length 27.9
  F.Cu (SIG) w0.25: v2(50,123.2) U1301.32
  B.Cu (SIG) w0.1: v1(52,98.4) 52.4,98.8 52.4,99.6
  B.Cu (SIG) w0.25: 52.4,99.6 52.8,100 52.8,120.41 50.01,123.2 v2(50,123.2)
SDRAM_A8: length 25.9
  F.Cu (SIG) w0.25: v2(50,122.4) U1301.33
  B.Cu (SIG) w0.1: v1(52,99.2) 52,100 52.4,100.4 52.4,101.2
  B.Cu (SIG) w0.25: 52.4,101.2 52.4,120 v2(50,122.4)
SDRAM_A9: length 26.3
  F.Cu (SIG) w0.1: U501.U2 57.2,100.4 57.2,101.2
  F.Cu (SIG) w0.25: 57.2,101.2 57.2,103 56.4,103.8 56.4,115.2 50,121.6 U1301.34
SDRAM_A10: length 28
  F.Cu (SIG) w0.25: v2(58.6,122.4) U1301.22
  B.Cu (SIG) w0.1: 57.2,99.6 57.2,98.8 56.4,98 55.6,98 v1(55.2,97.6)
  B.Cu (SIG) w0.25: v2(58.6,122.4) 58.59,122.4 57.2,121.01 57.2,99.6
SDRAM_A11: length 24.4
  F.Cu (SIG) w0.25: U1301.35 50,120.8 56,114.8 56,103.6 56.8,102.8 U501.V2
SDRAM_A12: length 24.4
  F.Cu (SIG) w0.1: 56.4,101.2 56.4,100.4 U501.U3
  F.Cu (SIG) w0.25: 56.4,101.2 56.4,102.6 55.6,103.4 55.6,114.4 50,120 U1301.36
SDRAM_BS0: length 28
  F.Cu (SIG) w0.25: v2(58.6,120.8) U1301.20
  B.Cu (SIG) w0.1: 58.2,97.6 57.8,97.2 55.6,97.2 v1(55.2,96.8)
  B.Cu (SIG) w0.25: 58.2,97.6 58.2,120.4 v2(58.6,120.8)
SDRAM_BS1: length 26.9
  F.Cu (SIG) w0.25: v2(58.6,121.6) U1301.21
  B.Cu (SIG) w0.1: 57.6,98.4 56.8,97.6 v1(56,97.6)
  B.Cu (SIG) w0.25: v2(58.6,121.6) 58.59,121.6 57.6,120.61 57.6,98.4
SDRAM_CKE: length 23.3
  F.Cu (SIG) w0.1: 55.6,101.2 55.6,100.4 U501.U4
  F.Cu (SIG) w0.25: U1301.37 50,119.2 55.2,114 55.2,103.2 55.6,102.8 55.6,101.2
SDRAM_CLK: length 21.3
  F.Cu (SIG) w0.25: U501.V4 55.2,102.6 54.8,103 54.8,113.6 50,118.4 U1301.38
SDRAM_DQ0: length 17.4
  F.Cu (SIG) w0.1: 58,98 57.2,98 U501.P2
  F.Cu (SIG) w0.25: U1301.2 62.6,106.4 63,106 63,98.4 62.6,98 58,98
SDRAM_DQ1: length 20.7
  F.Cu (SIG) w0.1: U501.N2 57.2,97.2 58,97.2
  F.Cu (SIG) w0.25: U1301.4 63.21,108 63.8,107.41 63.8,98.63 62.37,97.2 58,97.2
